# Altium PCB PCB_with_drawing.PcbDoc (part 4 of 5)
Units mm, origin at the board's own origin, x right, y up, seen from the top; angles counter-clockwise.
Board outline 425 x 295 mm, 2 copper layers (Top Layer, Bottom Layer), stack 3.4 mm thick; 489 components, 419 nets, 1569 pads, 847 vias.
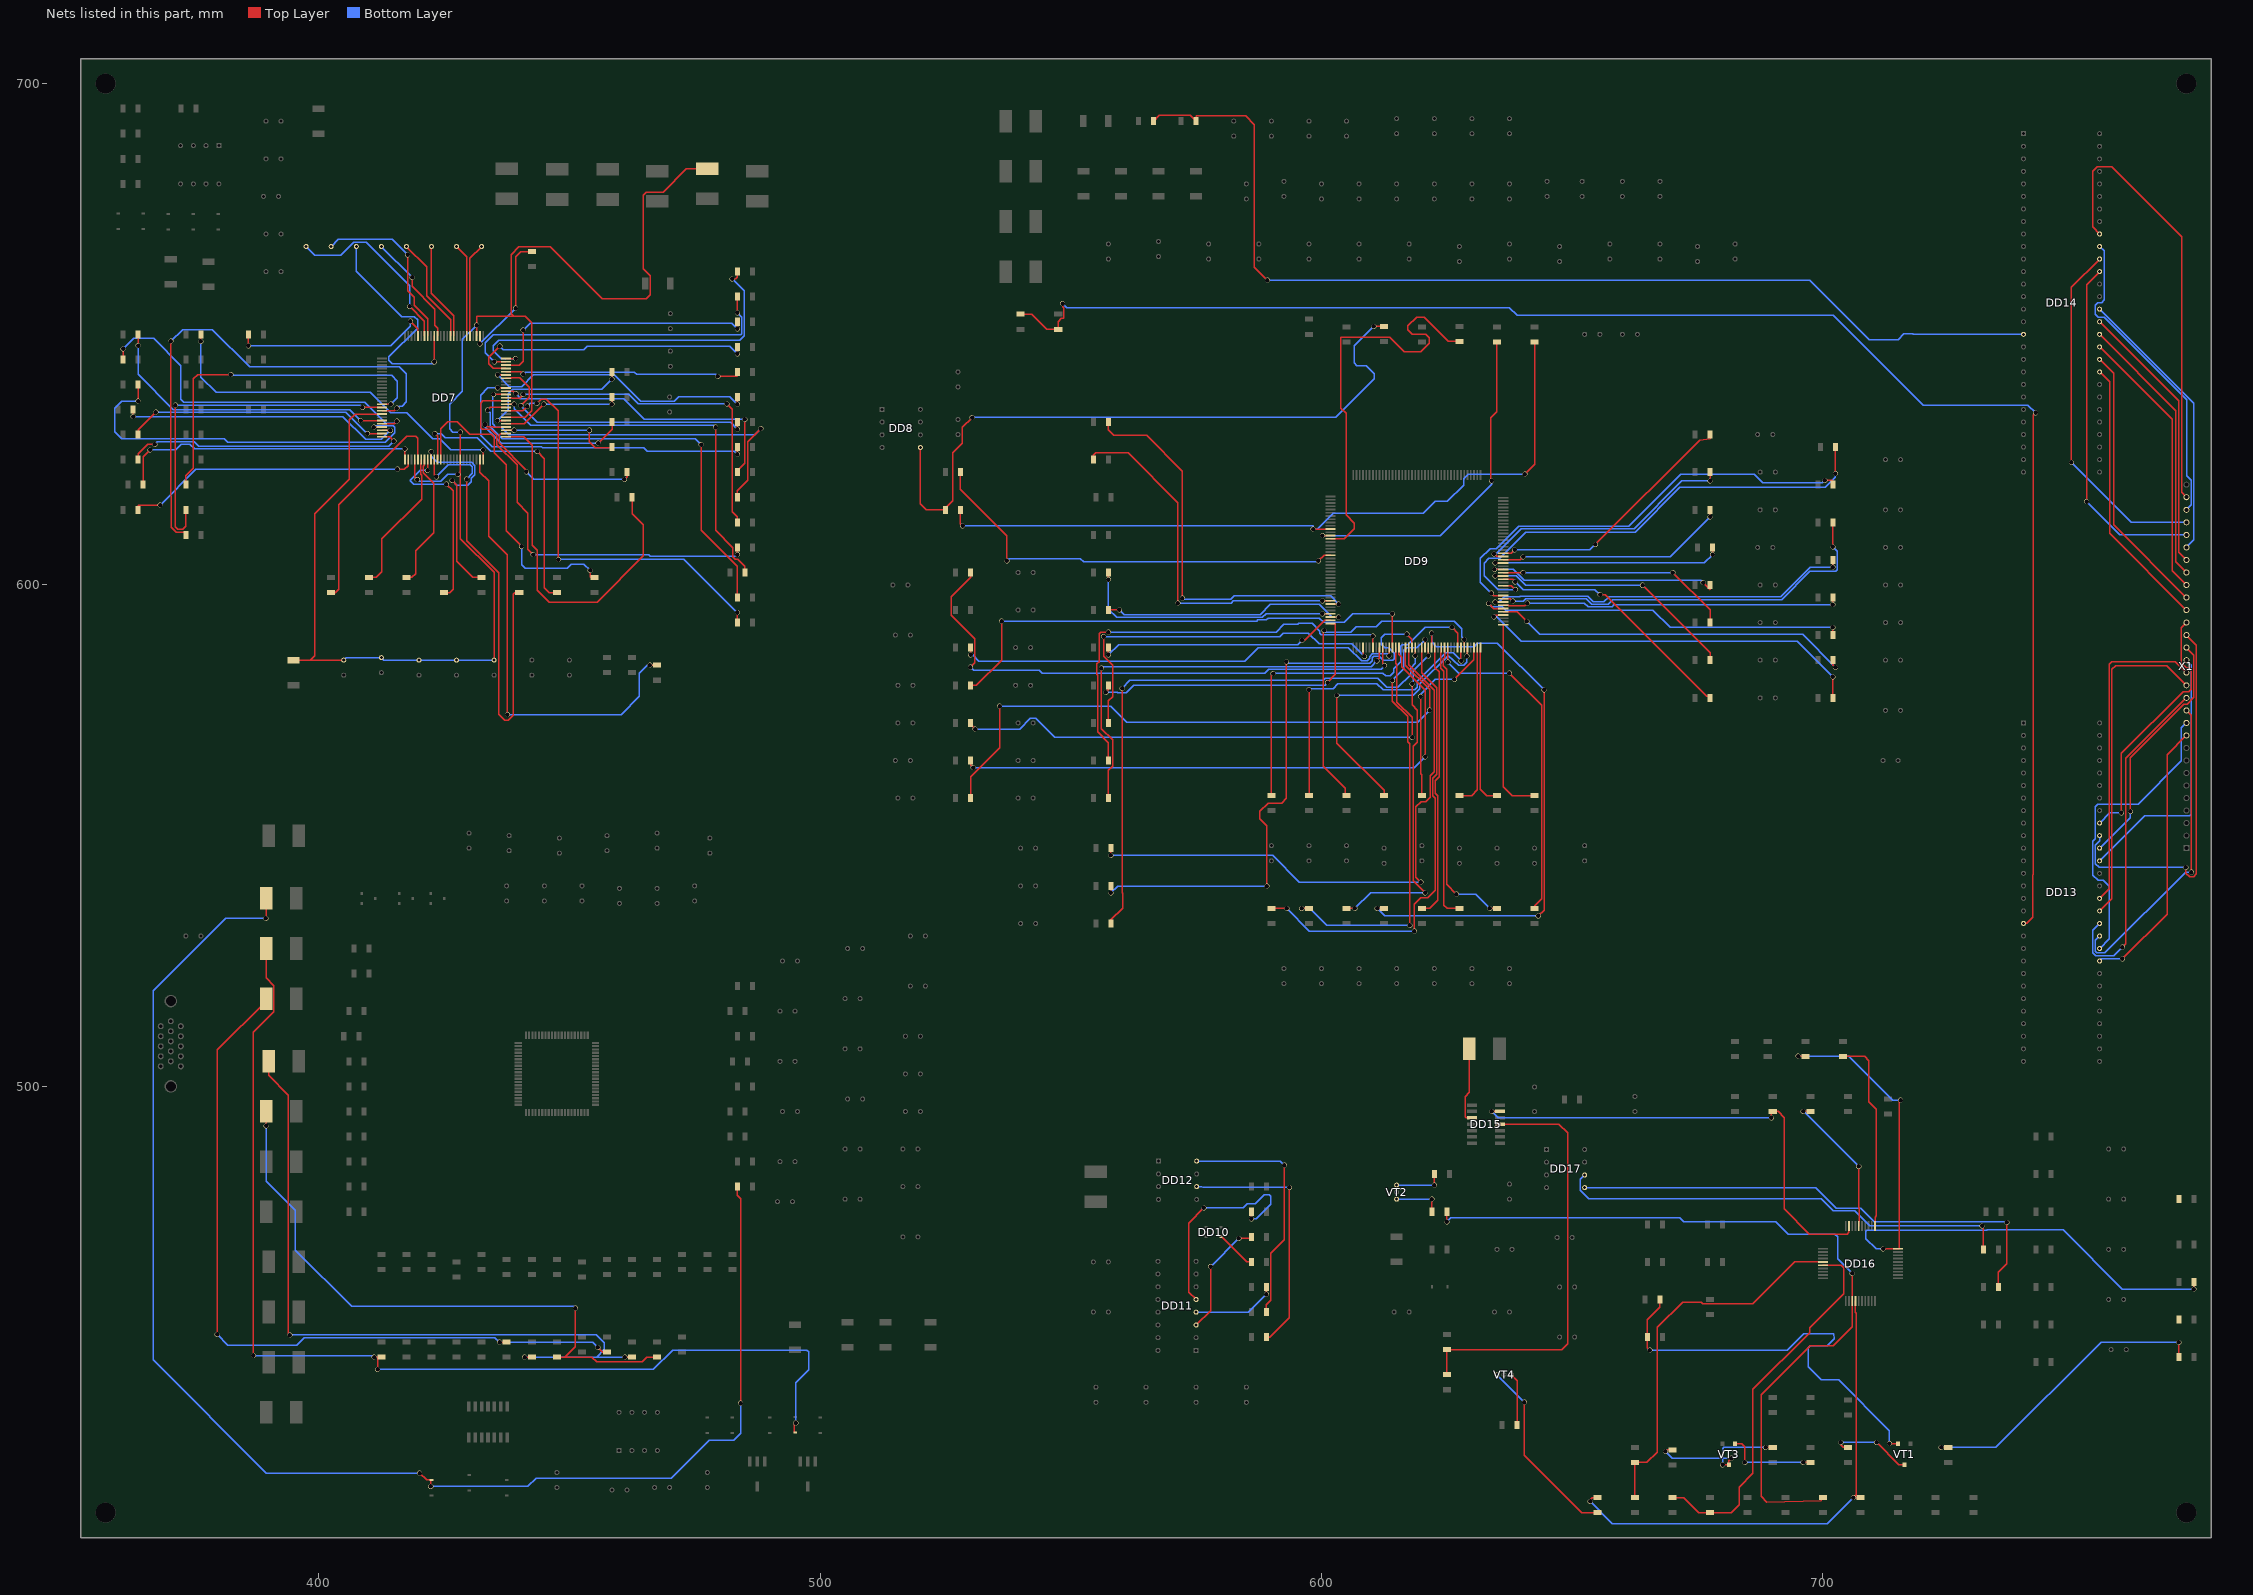
[diagram p4: the nets of this part, all layers, seen from the top]

## Via types
v1: diameter 1, hole 0.9, Top Layer to Bottom Layer, 847 vias

## Nets (pads, with @x,y where several pads share a name; then routed paths per layer and width w, separated by ;. In a path a pad name is that pad's centre, name@x,y a point inside that pad or via, vN(x,y) a via of type N, cw(c..) or ccw(c..) an arc to the next point about the centre after c; other vN are vias at no path point) (continued)
NetDD7_15: DD7.15 R68.1 | length 70.1
  Top Layer w0.25: R68.1@373.5,620 373.5,621.785 375.006,623.291 375.006,641.096 375.844,641.934 v1(382.473,641.934) ; DD7.15@412.65,636.05 v1(414.376,636.05)
  Bottom Layer w0.25: v1(382.473,641.934) 382.626,641.782 414.528,641.782 415.671,640.639 415.671,637.345 v1(414.376,636.05)
NetDD7_16: DD7.16 R67.1 | length 71.5
  Top Layer w0.25: v1(371.399,635.864) 371.399,611.591 371.856,611.134 372.872,611.134 373.5,611.762 R67.1@373.5,615 ; v1(408.711,635.406) 408.718,635.4 DD7.16@412.65,635.4
  Bottom Layer w0.25: v1(371.399,635.864) 408.254,635.864 v1(408.711,635.406)
NetDD7_17: DD7.17 R66.1 | length 103.7
  Top Layer w0.25: v1(370.51,648.614) 370.51,617.857 370.625,617.742 370.625,611.517 371.602,610.54 373.5,610.54 R66.1@373.5,610 ; DD7.17@412.65,634.75 415.091,634.75 v1(415.595,635.254)
  Bottom Layer w0.25: v1(370.51,648.614) 372.847,650.951 378.816,650.951 386.283,643.484 416.103,643.484 417.474,642.112 417.474,636.524 416.636,635.686 416.027,635.686 v1(415.595,635.254)
NetDD7_20: DD7.20 R89.1 | length 60.5
  Top Layer w0.25: v1(364,647.751) R89.1@364,650 ; v1(408.371,632.8) DD7.20@412.65,632.8
  Bottom Layer w0.25: v1(364,647.751) 364,642.018 371.033,634.985 406.187,634.985 v1(408.371,632.8)
NetDD7_21: DD7.21 R88.1 | length 71.8
  Top Layer w0.25: R88.1@361,645 v1(361,647.08) ; DD7.21@412.65,632.15 415.082,632.15 v1(415.595,632.663)
  Bottom Layer w0.25: v1(361,647.08) 363.093,649.173 367.106,649.173 372.516,643.763 372.516,637.032 373.101,636.448 409.169,636.448 413.383,632.233 415.165,632.233 v1(415.595,632.663)
NetDD7_22: DD7.22 R87.1 | length 77.9
  Top Layer w0.25: v1(364,636.651) R87.1@364,640 ; v1(411.028,631.495) 411.033,631.5 DD7.22@412.65,631.5
  Bottom Layer w0.25: v1(364,636.651) 360.731,636.651 359.334,635.254 359.334,630.555 360.68,629.209 381.127,629.209 381.914,628.421 413.258,628.421 415.163,630.326 415.163,631.444 414.878,631.729 411.262,631.729 v1(411.028,631.495)
NetDD7_23: DD7.23 R86.1 | length 57
  Top Layer w0.25: v1(362.991,633.578) 363,633.586 R86.1@363,635 ; DD7.23@412.65,630.85 v1(414.274,630.85)
  Bottom Layer w0.25: v1(362.991,633.578) 404.825,633.578 409.372,629.031 412.455,629.031 v1(414.274,630.85)
NetDD7_24: DD7.24 R85.1 | length 52.8
  Top Layer w0.25: R85.1@364,630 364,630.936 v1(367.545,634.481) ; v1(409.727,630.2) DD7.24@412.65,630.2
  Bottom Layer w0.25: v1(367.545,634.481) 405.447,634.481 v1(409.727,630.2)
NetDD7_25: DD7.25 R84.1 | length 56.6
  Top Layer w0.25: R84.1@364,625 364,626.135 365.93,628.066 v1(367.327,628.066) ; DD7.25@412.65,629.55 414.161,629.55 v1(415.011,628.701)
  Bottom Layer w0.25: v1(367.327,628.066) 367.835,628.573 375.21,628.573 376.089,627.694 414.004,627.694 v1(415.011,628.701)
NetDD7_26: DD7.26 R83.1 | length 61.3
  Top Layer w0.25: R83.1@365,620 365,625.579 v1(366.37,626.948) ; DD7.26@417.2,625 v1(417.2,627.126)
  Bottom Layer w0.25: v1(366.37,626.948) 371.497,626.948 372.618,628.069 374.317,628.069 375.26,627.126 v1(417.2,627.126)
NetDD7_27: DD7.27 R82.1 | length 59.2
  Top Layer w0.25: R82.1@364,615 364,615.95 v1(368.376,615.95) ; v1(415.696,623.087) 417.113,623.087 417.85,623.824 DD7.27@417.85,625
  Bottom Layer w0.25: v1(368.376,615.95) 375.514,623.087 v1(415.696,623.087)
NetDD7_30: DD7.30 R107.1 | length 44.6
  Top Layer w0.25: R107.1@402.5,598.5 403.352,598.5 403.962,599.11 403.962,616.052 417.576,629.666 419.379,629.666 419.8,629.245 DD7.30@419.8,625
NetDD7_31: DD7.31 R106.1 | length 28.8
  Top Layer w0.25: R106.1@410,601.5 411.48,601.5 412.598,602.618 412.598,609.19 420.537,617.129 420.537,621.884 420.367,622.054 420.367,624.179 420.45,624.262 DD7.31@420.45,625
NetDD7_32: DD7.32 R105.1 | length 27.4
  Top Layer w0.25: R105.1@417.5,601.5 418.592,601.5 419.329,602.237 419.329,606.781 422.961,610.413 422.961,620.268 420.871,622.358 420.871,623.672 421.1,623.901 DD7.32@421.1,625
NetDD7_33: DD7.33 R104.1 | length 37.6
  Top Layer w0.25: v1(421.75,622.859) DD7.33@421.75,625 ; R104.1@425,598.5 426.136,598.5 426.822,599.186 426.822,618.754 v1(425.45,620.126)
  Bottom Layer w0.25: v1(421.75,622.859) 420.268,622.859 418.262,620.852 418.262,620.776 418.912,620.126 v1(425.45,620.126)
NetDD7_34: DD7.34 R103.1 | length 42.9
  Top Layer w0.25: DD7.34@422.4,625 422.4,626.581 v1(422.427,626.608) ; v1(426.593,620.852) 427.533,619.912 427.533,604.7 430.733,601.5 R103.1@432.5,601.5
  Bottom Layer w0.25: v1(422.427,626.608) 422.427,625.69 423.672,624.445 430.505,624.445 431.126,623.824 431.126,622.027 430.408,621.309 430.408,620.563 429.768,619.922 427.523,619.922 v1(426.593,620.852)
NetDD7_35: DD7.35 R102.1 | length 93.7
  Top Layer w0.25: DD7.35@423.05,625 423.05,621.967 v1(423.453,621.563) ; v1(429.489,621.132) 429.489,608.866 435.889,602.465 435.889,574.269 437.134,573.024 437.794,573.024 438.81,574.04 438.81,598.17 439.14,598.5 R102.1@440,598.5
  Bottom Layer w0.25: v1(423.453,621.563) 425.831,623.941 430.276,623.941 430.622,623.595 430.622,622.265 v1(429.489,621.132)
NetDD7_36: DD7.36 R101.1 | length 57.9
  Top Layer w0.25: v1(423.189,630.174) 423.7,629.663 DD7.36@423.7,625 ; v1(443.586,626.669) 445.033,625.221 445.033,599.44 445.973,598.5 R101.1@447.5,598.5
  Bottom Layer w0.25: v1(423.189,630.174) 424.42,630.174 425.258,629.336 431.648,629.336 434.315,626.669 v1(443.586,626.669)
NetDD7_37: DD7.37 R100.1 | length 63.4
  Top Layer w0.25: DD7.37@424.35,625 424.35,631.157 425.704,632.511 427.66,632.511 430.149,630.022 434.442,630.022 435,629.463 435,626.415 437.439,623.976 437.439,610.768 v1(440.487,607.72) ; v1(454.152,602.894) 454.152,601.5 R100.1@455,601.5
  Bottom Layer w0.25: v1(440.487,607.72) 440.487,604.063 441.208,603.342 449.565,603.342 450.368,604.144 452.902,604.144 v1(454.152,602.894)
NetDD7_49: DD7.49 R97.1 | length 89.7
  Top Layer w0.25: DD7.49@432.15,625 432.15,622.526 433.895,620.781 433.895,609.75 437.657,605.988 437.657,574.182 v1(437.642,574.167) ; v1(466.065,584) R97.1@467.5,584
  Bottom Layer w0.25: v1(437.642,574.167) 460.299,574.167 463.956,577.825 463.956,582.397 465.56,584 v1(466.065,584)
NetDD7_50: DD7.50 R96.1 | length 72.8
  Top Layer w0.25: v1(376.5,648.564) R96.1@376.5,650 ; DD7.50@432.8,625 v1(432.8,626.923)
  Bottom Layer w0.25: v1(376.5,648.564) 376.5,641.456 379.552,638.404 410.261,638.404 414.325,634.34 417.576,634.34 422.77,629.145 424.167,629.145 426.39,626.923 v1(432.8,626.923)
NetDD7_51: DD7.51 R95.1 | length 73.8
  Top Layer w0.25: DD7.51@437.35,629.55 440.932,629.55 442.61,627.872 442.61,607.964 443.626,606.948 443.626,598.917 445.938,596.605 455.533,596.605 464.718,605.79 464.718,612.004 462.5,614.223 R95.1@462.5,617.5
NetDD7_52: DD7.52 R94.1 | length 32.8
  Top Layer w0.25: DD7.52@437.35,630.2 436.296,630.2 436.016,629.92 436.016,628.328 441.427,622.918 v1(441.427,622.579) ; v1(460.985,621.081) 461.5,621.596 R94.1@461.5,622.5
  Bottom Layer w0.25: v1(441.427,622.579) 442.925,621.081 v1(460.985,621.081)
NetDD7_53: DD7.53 R93.1 | length 24.1
  Top Layer w0.25: DD7.53@437.35,630.85 438.978,630.85 v1(438.988,630.86) ; v1(454,630.86) 454,628.548 455.168,627.38 458.5,627.38 R93.1@458.5,627.5
  Bottom Layer w0.25: v1(438.988,630.86) v1(454,630.86)
NetDD7_54: DD7.54 R92.1 | length 34.1
  Top Layer w0.25: v1(433.172,632.008) 433.583,631.597 434.734,631.597 434.832,631.5 DD7.54@437.35,631.5 ; v1(455.727,628.294) 458.5,631.068 R92.1@458.5,632.5
  Bottom Layer w0.25: v1(433.172,632.008) 433.172,631.5 436.377,628.294 v1(455.727,628.294)
NetDD7_55: DD7.55 R91.1 | length 24.2
  Top Layer w0.25: DD7.55@437.35,632.15 440.997,632.15 v1(444.913,636.067) ; v1(458.495,636.067) 458.5,636.071 R91.1@458.5,637.5
  Bottom Layer w0.25: v1(444.913,636.067) v1(458.495,636.067)
NetDD7_56: DD7.56 R90.1 | length 31.3
  Top Layer w0.25: v1(435.635,632.79) 435.645,632.8 DD7.56@437.35,632.8 ; v1(458.495,641.071) 458.5,641.075 R90.1@458.5,642.5
  Bottom Layer w0.25: v1(435.635,632.79) 437.769,634.924 437.769,638.124 438.697,639.052 456.477,639.052 v1(458.495,641.071)
NetDD7_59: DD7.59 R81.1 | length 84.1
  Top Layer w0.25: DD7.59@437.35,634.75 440.719,634.75 v1(441.63,635.66) ; v1(443.535,636.219) 444.348,637.032 445.414,637.032 447.735,634.712 447.735,605.146 v1(447.802,605.079) ; v1(483.489,594.512) 483.5,594.501 R81.1@483.5,592.5
  Bottom Layer w0.25: v1(441.63,635.66) 442.189,636.219 v1(443.535,636.219) ; v1(447.802,605.079) 447.875,605.152 472.849,605.152 v1(483.489,594.512)
NetDD7_60: DD7.60 R80.1 | length 84.5
  Top Layer w0.25: v1(433.68,634.892) 434.188,635.4 DD7.60@437.35,635.4 ; v1(476.275,628.015) 476.275,610.919 483.5,603.694 R80.1@483.5,597.5
  Bottom Layer w0.25: v1(433.68,634.892) 434.202,634.37 434.202,631.596 436.589,629.209 475.082,629.209 v1(476.275,628.015)
NetDD7_61: DD7.61 R79.1 | length 75.9
  Top Layer w0.25: DD7.61@437.35,636.05 v1(438.988,636.05) ; v1(479.146,631.495) 479.146,610.895 482.6,607.441 482.6,605.663 483.108,605.155 483.616,605.155 485,603.771 R79.1@485,602.5
  Bottom Layer w0.25: v1(438.988,636.05) 438.988,635.177 442.341,631.825 478.815,631.825 v1(479.146,631.495)
NetDD7_62: DD7.62 R78.1 | length 83.2
  Top Layer w0.25: DD7.62@437.35,636.7 432.748,636.7 432.293,636.245 432.293,631.409 432.664,631.038 434.34,631.038 435.512,629.865 435.512,628.015 439.572,623.955 439.572,616.509 441.731,614.35 441.731,607.085 v1(442.747,606.069) ; v1(483.489,606.069) 483.5,606.08 R78.1@483.5,607.5
  Bottom Layer w0.25: v1(442.747,606.069) 465.781,606.069 466.135,605.715 483.134,605.715 v1(483.489,606.069)
NetDD7_63: DD7.63 R77.1 | length 69.7
  Top Layer w0.25: DD7.63@437.35,637.35 438.465,637.35 438.544,637.271 440.059,637.271 v1(440.792,638.003) ; v1(481.432,636.117) 482.524,635.025 482.524,614.589 483.5,613.613 R77.1@483.5,612.5
  Bottom Layer w0.25: v1(440.792,638.003) 461.856,638.003 463.742,636.117 v1(481.432,636.117)
NetDD7_64: DD7.64 R76.1 | length 78.9
  Top Layer w0.25: v1(434.833,638) DD7.64@437.35,638 ; R76.1@483.5,617.5 483.5,618.795 485.546,620.841 485.546,628.523 v1(488.188,631.165)
  Bottom Layer w0.25: v1(434.833,638) 434.706,637.873 434.706,632.12 435.356,631.469 436.397,631.469 437.921,629.945 486.969,629.945 v1(488.188,631.165)
NetDD7_65: DD7.65 R75.1 | length 61.2
  Top Layer w0.25: DD7.65@437.35,638.65 438.843,638.65 v1(439.344,638.15) ; R75.1@483.5,622.5 483.5,622.808 485.013,624.321 v1(485.013,633.019)
  Bottom Layer w0.25: v1(439.344,638.15) 439.42,638.15 439.744,637.825 440.186,637.098 460.842,637.098 464.922,633.019 v1(485.013,633.019)
NetDD7_66: DD7.66 R74.1 | length 67.8
  Top Layer w0.25: v1(435.704,639.293) 435.712,639.3 DD7.66@437.35,639.3 ; v1(483.489,626.085) 483.5,626.096 R74.1@483.5,627.5
  Bottom Layer w0.25: v1(435.704,639.293) 433.756,639.293 432.293,637.829 432.293,629.885 434.629,627.548 444.457,627.548 444.625,627.38 464.82,627.38 465.557,626.643 482.93,626.643 v1(483.489,626.085)
NetDD7_69: DD7.69 R65.1 | length 56.5
  Top Layer w0.25: DD7.69@437.35,641.25 438.382,641.25 438.469,641.337 440.119,641.337 441.992,639.464 441.992,637.471 v1(440.309,635.787) ; v1(483.489,631.063) 483.5,631.074 R65.1@483.5,632.5
  Bottom Layer w0.25: v1(440.309,635.787) 440.309,635.706 443.606,632.409 482.143,632.409 v1(483.489,631.063)
NetDD7_70: DD7.70 R64.1 | length 56
  Top Layer w0.25: v1(435.712,641.909) 435.72,641.9 DD7.70@437.35,641.9 ; v1(483.5,636.067) R64.1@483.5,637.5
  Bottom Layer w0.25: v1(435.712,641.909) 438.048,639.572 440.461,639.572 442.839,641.95 458.937,641.95 464.266,636.621 470.865,636.621 471.784,637.54 482.027,637.54 v1(483.5,636.067)
NetDD7_71: DD7.71 R63.1 | length 47.8
  Top Layer w0.25: DD7.71@437.35,642.55 440.277,642.55 v1(440.792,642.036) ; v1(479.628,641.604) 483.5,641.604 R63.1@483.5,642.5
  Bottom Layer w0.25: v1(440.792,642.036) 441.209,642.454 462.985,642.454 463.403,642.036 479.196,642.036 v1(479.628,641.604)
NetDD7_72: DD7.72 R61.1 | length 58.2
  Top Layer w0.25: v1(436.118,647.624) 433.934,645.439 433.934,644.114 434.848,643.2 DD7.72@437.35,643.2 ; v1(483.489,646.074) 483.5,646.085 R61.1@483.5,647.5
  Bottom Layer w0.25: v1(436.118,647.624) 436.782,646.959 452.885,646.959 453.549,647.624 481.94,647.624 v1(483.489,646.074)
NetDD7_73: DD7.73 R60.1 | length 55.1
  Top Layer w0.25: DD7.73@437.35,643.85 439.99,643.85 440.792,644.652 v1(440.792,650.824) ; v1(483.489,651.089) 483.5,651.1 R60.1@483.5,652.5
  Bottom Layer w0.25: v1(440.792,650.824) 442.163,652.196 482.382,652.196 v1(483.489,651.089)
NetDD7_74: DD7.74 R58.1 | length 66.5
  Top Layer w0.25: v1(435.051,644.5) DD7.74@437.35,644.5 ; v1(483.5,654.268) R58.1@483.5,657.5
  Bottom Layer w0.25: v1(435.051,644.5) 433.222,646.329 433.222,648.284 434.848,649.91 484.2,649.91 484.378,650.088 484.378,653.39 v1(483.5,654.268)
NetDD7_75: DD7.75 R55.1 | length 73.5
  Top Layer w0.25: DD7.75@437.35,645.15 v1(439.268,645.15) ; v1(482.473,661.06) 483.144,661.06 483.5,661.416 R55.1@483.5,662.5
  Bottom Layer w0.25: v1(439.268,645.15) 436.458,645.15 434.848,646.76 434.848,647.751 435.864,648.767 483.946,648.767 484.886,649.707 484.886,658.647 v1(482.473,661.06)
NetDD7_77: DD7.77 R54.1 | length 25.6
  Top Layer w0.25: v1(432.13,648.081) 432.15,648.101 DD7.77@432.15,649.7 ; v1(439.268,655.218) 439.268,665.48 440.288,666.5 R54.1@442.5,666.5
  Bottom Layer w0.25: v1(432.13,648.081) v1(439.268,655.218)
NetDD7_80: DD7.80 RX_D2+.1 | length 18.9
  Top Layer w0.25: DD7.80@430.2,649.7 430.2,650.179 430.117,650.179 430.117,665.117 RX_D2+.1@432.5,667.5
NetDD7_81: DD7.81 RX_D2-.1 | length 18.6
  Top Layer w0.25: RX_D2-.1@427.5,667.5 429.55,665.45 DD7.81@429.55,649.7
NetDD7_85: DD7.85 RX_D1+.1 | length 19.6
  Top Layer w0.25: RX_D1+.1@422.5,667.5 422.5,658.143 426.95,653.693 DD7.85@426.95,649.7
NetDD7_86: DD7.86 RX_D1-.1 | length 21.4
  Top Layer w0.25: RX_D1-.1@417.5,667.5 421.538,663.462 421.538,657.682 426.3,652.921 DD7.86@426.3,649.7
NetDD7_90: DD7.90 RX_D0+.1 | length 22.4
  Top Layer w0.25: v1(418.643,661.357) 418.643,659.537 423.189,654.99 423.189,651.764 423.7,651.253 DD7.90@423.7,649.7
  Bottom Layer w0.25: RX_D0+.1@412.5,667.5 v1(418.643,661.357)
NetDD7_91: DD7.91 RX_D0-.1 | length 46.3
  Top Layer w0.25: v1(423.05,644.474) DD7.91@423.05,649.7
  Bottom Layer w0.25: RX_D0-.1@407.5,667.5 407.5,662.567 416.56,653.507 419.1,653.507 419.713,652.894 419.713,651.234 414.02,645.541 414.02,644.779 414.655,644.144 422.72,644.144 v1(423.05,644.474)
NetDD7_93: DD7.93 RX_CLK+.1 | length 34.9
  Top Layer w0.25: v1(417.754,665.861) 417.754,658.678 419.039,657.393 419.039,655.762 421.75,653.051 DD7.93@421.75,649.7
  Bottom Layer w0.25: RX_CLK+.1@402.5,667.5 403.909,668.909 414.706,668.909 v1(417.754,665.861)
NetDD7_94: DD7.94 RX_CLK-.1 | length 37.3
  Top Layer w0.25: v1(418.16,655.574) 421.1,652.634 DD7.94@421.1,649.7
  Bottom Layer w0.25: RX_CLK-.1@397.5,667.5 399.266,665.734 404.368,665.734 407.035,668.401 409.448,668.401 418.16,659.689 v1(418.16,655.574)
NetDD7_96: DD7.96 R59.2 | length 40.8
  Top Layer w0.25: v1(386,647.7) R59.2@386,650 ; v1(418.276,652.628) 419.8,651.104 DD7.96@419.8,649.7
  Bottom Layer w0.25: v1(386,647.7) 386.025,647.675 414.339,647.675 418.276,651.612 v1(418.276,652.628)
NetDD8_5: DD8.5 R111.2 R117.2 | length 137.7
  Top Layer w0.25: DD8.5@520,627.42 520,616.193 521.208,614.985 525,614.985 R117.2@525,615 525,615.29 526.491,616.781 526.491,626.364 528.396,628.269 528.396,631.495 v1(530.301,633.4) ; v1(610.432,651.58) R111.2@612.5,651.58
  Bottom Layer w0.25: v1(530.301,633.4) 530.305,633.404 602.848,633.404 610.54,641.096 610.54,642.112 608.889,643.763 607.06,643.763 606.527,644.296 606.527,647.675 v1(610.432,651.58)
NetDD9_11: DD9.11 R113.1 R117.1 | length 152.1
  Top Layer w0.25: R117.1@528,615 528,612.231 v1(528.447,611.784) ; v1(598.348,611.15) DD9.11@601.8,611.15 ; v1(640.549,622.134) 642.5,624.085 R113.1@642.5,648.5
  Bottom Layer w0.25: v1(528.447,611.784) 598.348,611.784 v1(598.348,611.15) 599.166,611.15 602.348,614.332 620.258,614.332 622.645,616.719 625.126,616.719 628.345,619.938 628.345,621.208 629.271,622.134 v1(640.549,622.134)
NetDD9_13: DD9.13 R114.1 | length 68.6
  Top Layer w0.25: v1(600.177,609.854) 600.177,609.85 DD9.13@601.8,609.85 ; v1(633.908,620.751) 633.795,620.864 633.795,633.31 635,634.515 R114.1@635,648.5
  Bottom Layer w0.25: v1(600.177,609.854) 623.676,609.854 633.908,620.086 v1(633.908,620.751)
NetDD9_14: DD9.14 R115.1 | length 84.3
  Top Layer w0.25: DD9.14@601.8,609.2 604.572,609.2 606.552,611.18 606.552,612.318 604.901,613.969 604.901,634.213 603.86,635.254 603.86,649.427 613.613,649.427 616.509,646.532 619.836,646.532 621.513,648.208 621.513,649.275 620.776,650.011 618.067,650.011 617.22,650.858 617.22,651.654 618.956,653.39 620.471,653.39 625.281,648.58 R115.1@627.5,648.58
NetDD9_19: DD9.19 R118.1 | length 87.1
  Top Layer w0.25: R118.1@528,622.5 528,619.115 537.261,609.854 v1(537.261,604.799) ; v1(599.364,604.799) 600.514,605.95 DD9.19@601.8,605.95
  Bottom Layer w0.25: v1(537.261,604.799) 537.687,605.226 551.934,605.226 552.566,604.593 599.157,604.593 v1(599.364,604.799)
NetDD9_33: DD9.33 R130.2 | length 72.7
  Top Layer w0.25: R130.2@554.5,625 554.5,625.867 554.99,626.357 561.449,626.357 571.373,616.433 v1(571.373,596.396) ; v1(600.177,596.849) DD9.33@601.8,596.85
  Bottom Layer w0.25: v1(571.373,596.396) 581.986,596.396 582.44,596.849 v1(600.177,596.849)
NetDD9_34: DD9.34 R129.2 | length 78.9
  Top Layer w0.25: R129.2@557.5,632.5 557.5,630.936 558.618,629.818 565.15,629.818 572.262,622.706 v1(572.262,597.383) ; DD9.34@601.8,596.2 v1(603.428,596.2)
  Bottom Layer w0.25: v1(572.262,597.383) 572.531,597.113 581.853,597.113 582.554,597.814 601.814,597.814 v1(603.428,596.2)
NetDD9_37: DD9.37 R168.2 | length 52.6
  Top Layer w0.25: v1(557.5,601.07) R168.2@557.5,602.5 ; v1(600.177,594.258) 600.185,594.25 DD9.37@601.8,594.25
  Bottom Layer w0.25: v1(557.5,601.07) 557.5,595.203 559.167,593.536 588.228,593.536 588.951,594.258 v1(600.177,594.258)
NetDD9_38: DD9.38 R167.2 | length 49.9
  Top Layer w0.25: R167.2@557.5,595 557.5,595.02 v1(559.689,595.02) ; DD9.38@601.8,593.6 v1(603.428,593.6)
  Bottom Layer w0.25: v1(559.689,595.02) 560.67,594.04 587.741,594.04 589.83,596.129 599.572,596.129 602.101,593.6 v1(603.428,593.6)
NetDD9_39: DD9.39 R166.2 | length 48.6
  Top Layer w0.25: v1(557.5,586.08) R166.2@557.5,587.5 ; v1(596.113,588.95) 596.621,588.95 600.621,592.95 DD9.39@601.8,592.95
  Bottom Layer w0.25: v1(557.5,586.08) 559.533,588.112 595.275,588.112 v1(596.113,588.95)
NetDD9_40: DD9.40 R165.2 | length 60.1
  Top Layer w0.25: v1(556.997,578.561) 557.5,579.065 R165.2@557.5,580 ; v1(601.218,580.517) 601.218,580.644 602.742,582.168 602.742,592.3 DD9.40@601.8,592.3
  Bottom Layer w0.25: v1(556.997,578.561) 559.303,578.561 559.343,578.52 561.061,578.52 562.549,580.009 600.71,580.009 v1(601.218,580.517)
NetDD9_44: DD9.44 R164.2 | length 74.3
  Top Layer w0.25: v1(556.539,589.712) 556.539,585.749 558.335,583.954 558.335,577.72 557.5,576.885 R164.2@557.5,572.5 ; DD9.44@608.3,587.5 608.3,585.983 v1(608.533,585.749)
  Bottom Layer w0.25: v1(556.539,589.712) 591.693,589.712 592.328,590.347 597.408,590.347 599.507,588.248 606.035,588.248 v1(608.533,585.749)
NetDD9_47: DD9.47 R163.2 | length 85.5
  Top Layer w0.25: R163.2@557.5,565 557.5,568.554 555.346,570.708 555.346,582.026 555.203,582.168 555.203,584.292 555.65,584.739 555.65,590.296 555.955,590.601 v1(557.505,590.601) ; DD9.47@610.25,587.5 v1(610.25,589.798)
  Bottom Layer w0.25: v1(557.505,590.601) 590.931,590.601 592.457,592.127 595.307,592.127 595.507,592.328 598.145,592.328 599.658,590.815 599.658,590.357 599.948,590.067 609.981,590.067 v1(610.25,589.798)
NetDD9_49: DD9.49 R162.2 | length 85.6
  Top Layer w0.25: v1(556.082,583.413) 556.082,571.348 558.343,569.087 558.343,563.88 557.5,563.037 R162.2@557.5,557.5 ; v1(611.042,584.874) 611.55,585.382 DD9.49@611.55,587.5
  Bottom Layer w0.25: v1(556.082,583.413) 556.412,583.743 609.91,583.743 v1(611.042,584.874)